# Allegro board RK_NVR_DEMO1_RK3588_LP4XD200P232SD8_V21_20211228_final_lint.brd (continued)
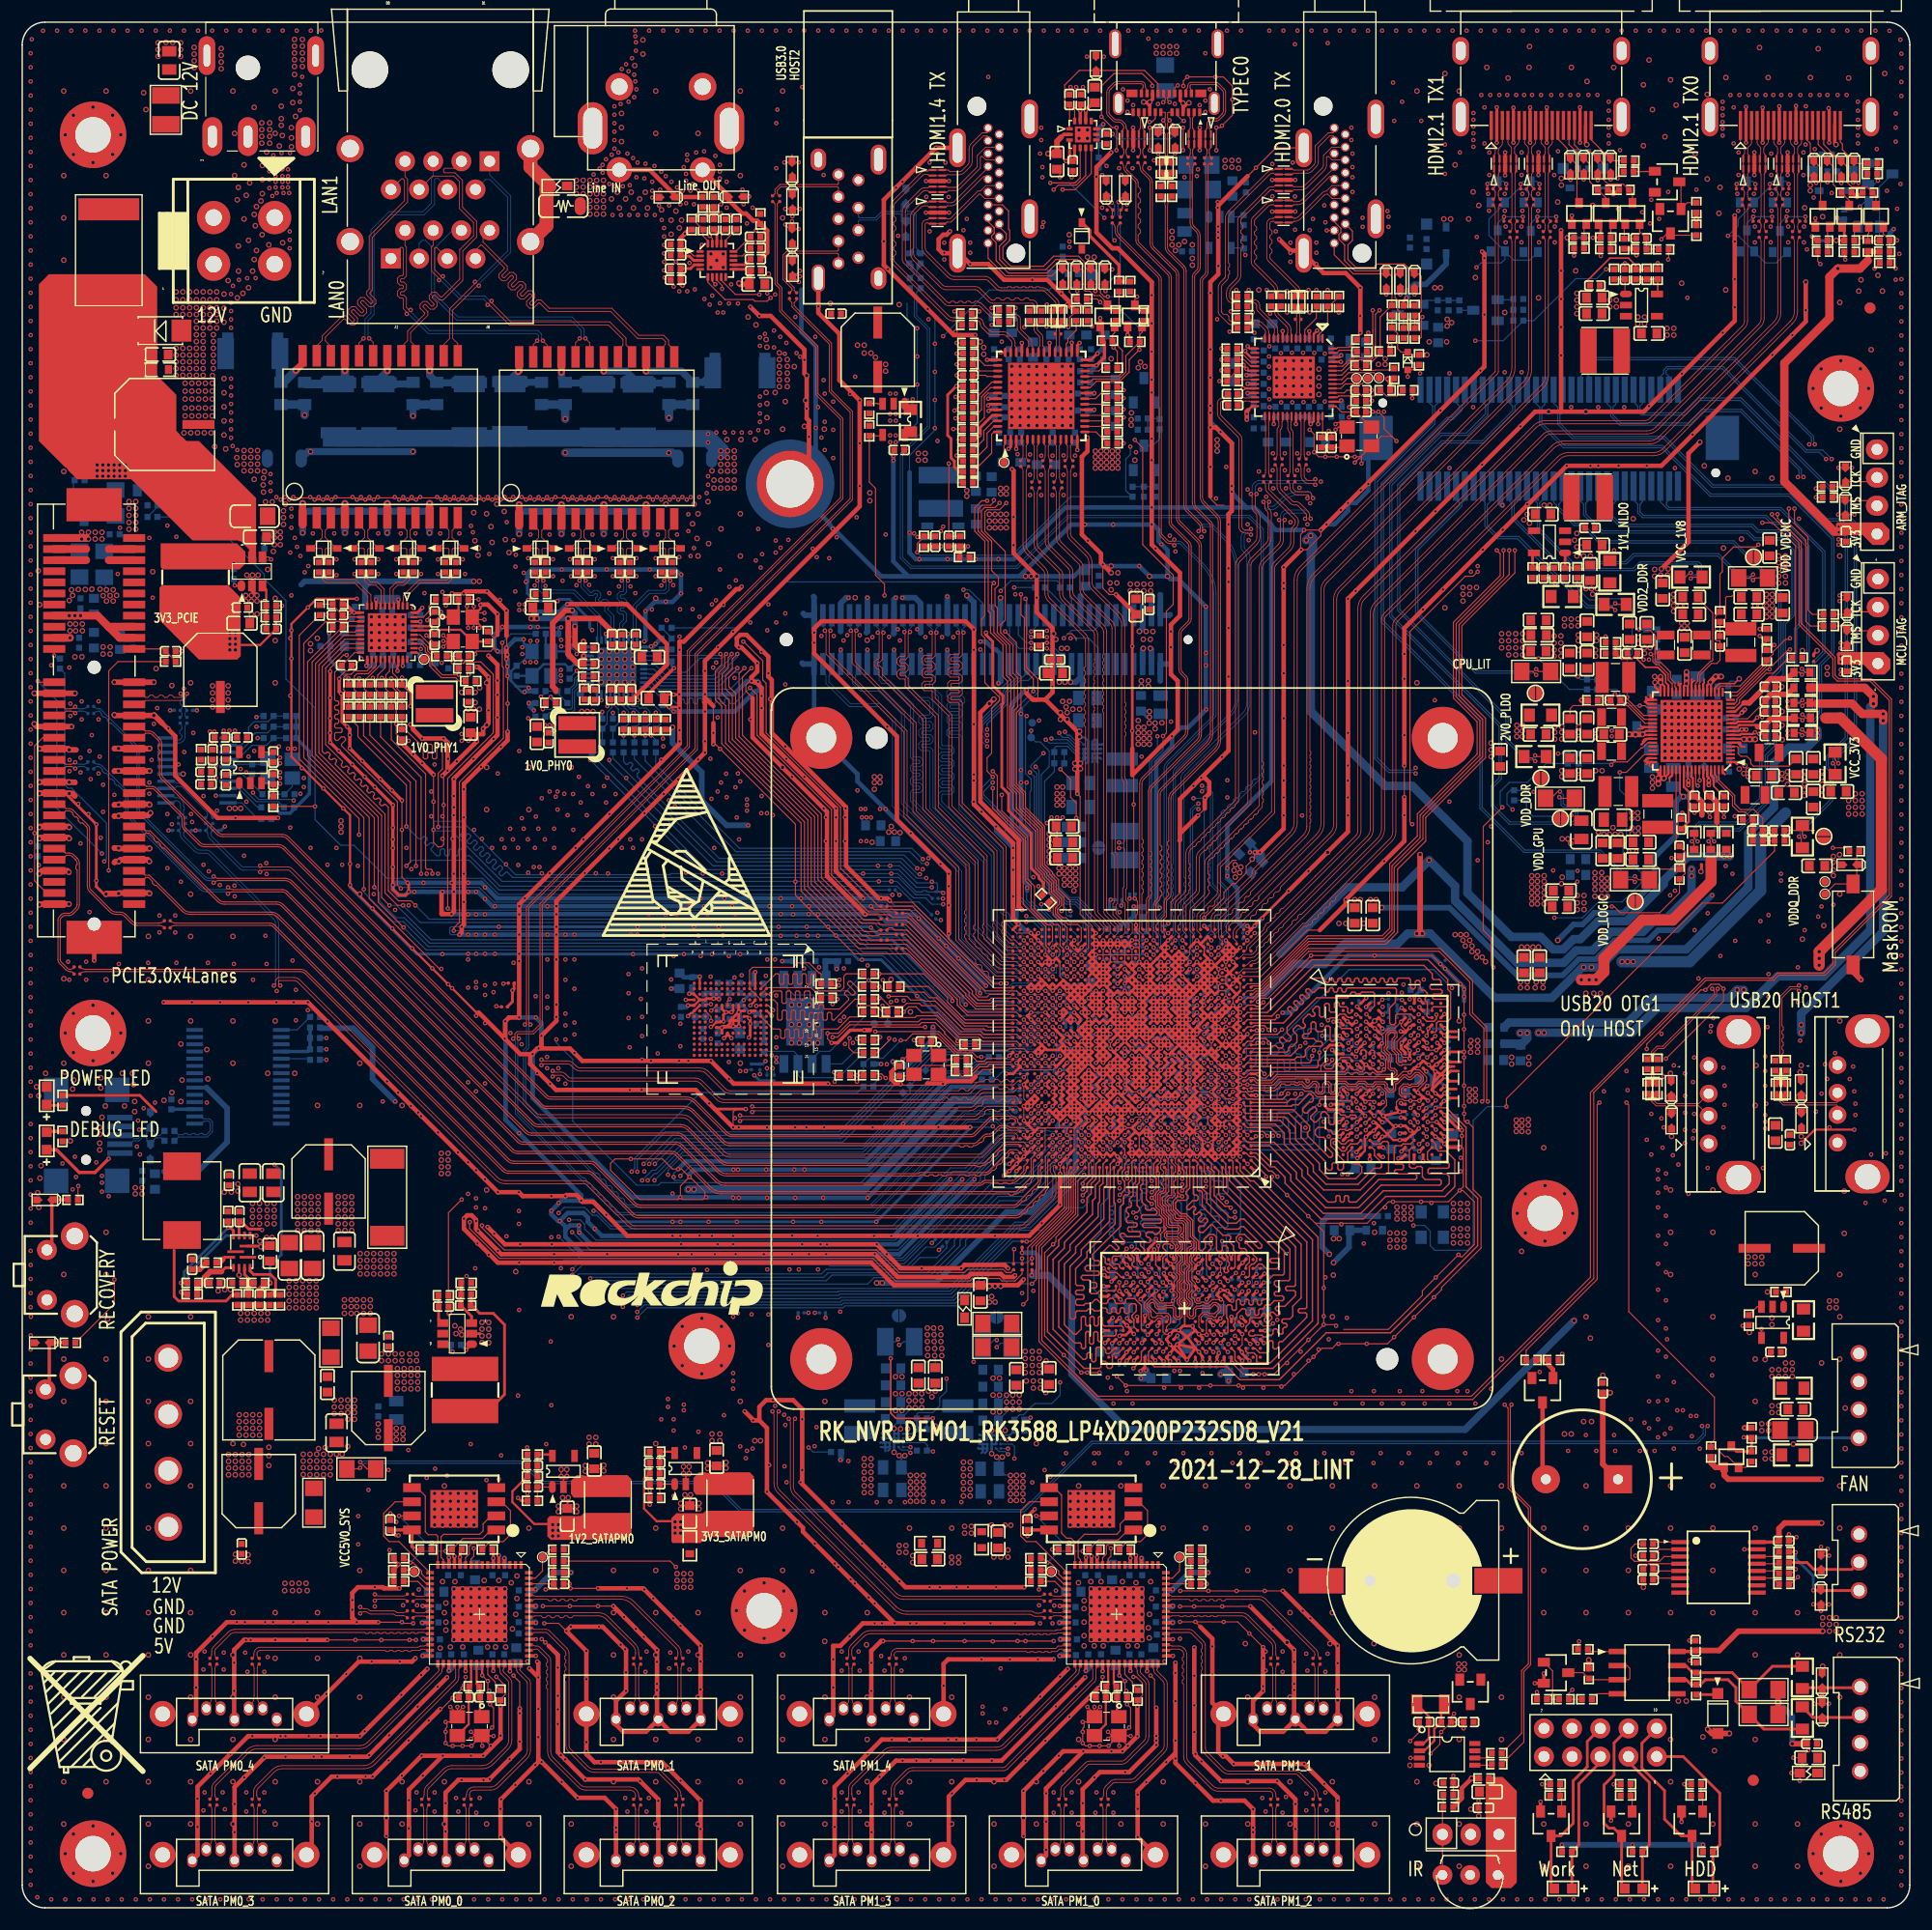
[diagram p0: board, top side]
## Routing (per net, layer and track width the routed paths; a pad name or vN(x,y) marks a point on that pad's centre or on a via; arc(x,y) is an arc through that point) (continued)
HDMI3_TXCN: length 2.8
  TOP w0.076: U5500.32 93.57,140.65 93.46,140.77 93.46,141.61 arc(93.49,141.75) C5501.2 arc(93.49,142) 93.46,142.14 93.46,142.55 arc(93.49,142.73) L5500.4
HDMI3_TXCN_PORT: length 25.5
  TOP w0.076: J5500.12 86.72,154.09 86.33,154.47 86.22,154.47 83.71,151.96 83.31,151.96 83.16,151.81 ED5501.6 ED5501.5 81.68,151.81 81.61,151.88 81.5,151.88 arc(81.4,151.84) 81.35,151.73 81.35,149.7 arc(81.4,149.47) 81.53,149.27 83.56,147.24 arc(83.76,147.1) 84,147.06 86.76,147.06 arc(87.02,147.01) 87.25,146.85 87.96,146.14 arc(88.07,146.07) 88.2,146.04 88.76,146.04 88.85,146.13 89.07,146.13 89.16,146.04 89.39,146.04 89.48,146.13 89.71,146.13 89.8,146.04 90.03,146.04 90.12,146.13 90.34,146.13 90.43,146.04 90.66,146.04 90.75,146.13 90.98,146.13 91.07,146.04 91.3,146.04 91.39,146.13 91.61,146.13 91.7,146.04 91.92,146.04 arc(92.18,145.99) 92.4,145.84 92.42,145.83 93.23,145.01 93.26,144.99 arc(93.37,144.82) 93.41,144.62 93.41,144.52 arc(93.45,144.29) 93.58,144.09 R5522.2
HDMI3_TXCP: length 2.8
  TOP w0.076: U5500.33 93.07,140.65 93.18,140.77 93.18,141.61 arc(93.15,141.75) C5501.1 arc(93.15,142) 93.18,142.14 93.18,142.55 arc(93.14,142.73) L5500.2
HDMI3_TXCP_PORT: length 25.6
  TOP w0.076: R5519.2 92.95,144.09 arc(93.08,144.29) 93.13,144.52 93.13,144.62 arc(93.11,144.71) 93.06,144.79 93.03,144.82 92.22,145.63 92.2,145.65 arc(92.07,145.73) 91.92,145.76 88.2,145.76 arc(87.96,145.81) 87.76,145.95 87.05,146.66 arc(86.91,146.75) 86.76,146.78 84,146.78 arc(83.66,146.85) 83.37,147.04 81.33,149.07 arc(81.14,149.36) 81.07,149.7 81.07,151.73 arc(81.2,152.04) 81.5,152.16 81.58,152.16 81.73,152.31 ED5501.4 ED5501.7 83.25,152.31 83.32,152.24 83.59,152.24 86.1,154.75 86.33,154.75 86.82,155.25 J5500.10
HDMI_TX0_REXT: length 0.9
  TOP w0.089: v1(110.4,87.21) 110.07,86.89 U1000.AM2
  BOTTOM w0.089: v1(110.4,87.21) 110.24,87.37 R1708.1
HDMI_TX1_REXT: length 0.9
  TOP w0.089: v1(111.05,87.86) 110.72,87.54 U1000.AN1
  BOTTOM w0.089: R1717.1 111.07,87.88 v1(111.05,87.86)
HDMITX0_CEC_M0: length 159.9
  TOP w0.089: U1000.AK24 95.77,85.59
  TOP w0.102: v1(162.02,148.18) 161.78,148.42 R5011.1 ; 95.77,85.59 v1(95.45,85.91)
  L4-S1 w0.102: v1(158.47,92.6) 158.06,93.01 158.06,93.31 158.67,93.92 158.67,97.17 159.89,98.39 159.89,102.95 160.91,103.96 160.91,114.34 160.3,114.94 160.3,124.3 158.57,126.03 158.57,137.61 162.43,141.47 162.43,147.77 v1(162.02,148.18)
  L6-S2 w0.102: v1(92.02,104.08) 92.63,104.08 92.73,104.18 104.6,104.18 105.19,104.77 120.22,104.77 123.2,107.74 129.77,107.74 130.83,106.67 130.83,103.73 136.54,98.02 136.54,98.02 136.88,97.68 140.91,97.68 141.4,97.19 141.4,96.68 142.13,95.95 145.58,95.95 149.65,91.89 157.76,91.89 v1(158.47,92.6)
  BOTTOM w0.089: 95.81,88.96 95.81,88.43 96.09,88.16 96.09,86.3 95.7,85.91 v1(95.45,85.91)
  BOTTOM w0.102: v1(92.02,104.08) 90.87,102.93 90.87,102.79 91.41,102.25 91.41,97.58 91.72,97.27 91.72,93.82 92.53,93.01 92.53,92.3 94.16,90.67 94.97,90.67 95.81,89.83 95.81,88.96
HDMITX0_HPDIN_M0: length 198.5
  TOP w0.089: 94.47,67.39 U1000.B26
  TOP w0.102: 94.47,67.39 94.16,67.08 94.16,66.67 94.1,66.62 94.1,63.01 90.6,59.5 90.6,54.81 v1(90.19,54.4)
  L4-S1 w0.102: v1(148.82,47.39) 148.82,56.63 157.76,65.57 157.76,89.85 159.13,91.22 159.13,97.02 161.11,99 161.11,103.57 161.31,103.78 161.31,114.65 160.7,115.26 160.7,127.19 159.59,128.31 159.59,137 168.22,145.64 168.22,152.95 167.82,153.36 v1(165.58,153.36)
  L6-S2 w0.102: v1(90.19,54.4) 91.21,54.4 96.59,49.01 96.59,47.49 97.86,46.22 132.61,46.22 133.78,47.39 v1(148.82,47.39)
  BOTTOM w0.102: Q5006.3 165.97,153.75 v1(165.58,153.36) 165.32,153.1 R5000.2
HDMITX0_SCL_M0: length 154.3
  TOP w0.102: v1(164.26,148.58) 164.18,148.66 R5003.1 ; v1(87.45,101.95) 86.94,102.46 86.94,103.67 87.35,104.08 87.35,108.15 88.06,108.86 88.06,109.11 86.74,110.43 86.74,114.44 86.43,114.75 86.43,116.17 86.74,116.48 86.74,123.18 85.82,124.1 85.82,126.2 86.46,126.84 v1(86.94,126.84) ; U1000.AJ28 v1(92.85,84.61)
  L4-S1 w0.102: v1(160.09,125.21) 160.3,125.42 160.3,126.74 158.98,128.06 158.98,137.41 164.26,142.69 v1(164.26,148.58)
  L6-S2 w0.102: v1(86.94,126.84) 87.55,126.23 99.54,126.23 100.05,125.72 102.59,125.72 107.06,121.25 114.27,121.25 114.88,120.64 129.31,120.64 130.02,119.93 134.19,119.93 135.66,121.4 136.17,121.4 140.79,126.03 156.13,126.03 157.15,125.01 159.89,125.01 v1(160.09,125.21)
  BOTTOM w0.089: v1(92.85,84.61) 92.85,84.76 92.52,85.09 92.52,86.05 92.28,86.29 92.28,88.48 91.8,88.96
  BOTTOM w0.102: v1(87.45,101.95) 86.43,100.93 86.43,100.22 88.57,98.09 88.57,96.97 89.69,95.85 89.69,91.08 91.8,88.96
HDMITX0_SDA_M0: length 160.1
  TOP w0.102: v1(166.9,147.77) 167.37,148.23 R5008.1 ; v1(95.45,85.26) U1000.AJ25
  L4-S1 w0.102: v1(158.47,93.21) 158.87,93.62 158.87,97.09 160.09,98.31 160.09,102.86 161.11,103.88 161.11,114.42 160.5,115.03 160.5,126.97 159.28,128.19 159.28,137.13 166.58,144.43 166.58,147.45 v1(166.9,147.77)
  L6-S2 w0.102: v1(158.47,93.21) 157.35,92.09 149.73,92.09 145.67,96.16 142.21,96.16 141.6,96.77 141.6,97.27 140.99,97.88 136.96,97.88 136.74,98.1 136.74,98.11 131.04,103.81 131.04,106.76 129.85,107.94 123.11,107.94 120.14,104.97 105.1,104.97 104.62,104.49 91.92,104.49 91.31,103.88 v1(91.31,102.86)
  BOTTOM w0.089: v1(95.45,85.26) 96.29,86.1 96.29,88.41 96.06,88.64 96.06,88.96
  BOTTOM w0.102: v1(91.31,102.86) 91.62,102.56 91.62,97.68 91.92,97.38 91.92,93.92 92.78,93.06 92.78,92.35 94.26,90.87 95.07,90.87 96.06,89.88 96.06,88.96
HDMITX1_CEC_M2: length 106.3
  TOP w0.102: R5023.1 v1(139.83,148.94)
  L4-S1 w0.102: v1(139.83,148.94) 142.31,146.45 142.31,142.1 135.49,135.28 135.49,133.13 129.31,126.94 129.31,110.89 v1(127.28,108.86)
  L6-S2 w0.102: v1(127.28,108.86) 127.07,109.06 106.55,109.06 105.74,108.25 100.15,108.25 98.42,106.52 91.41,106.52 v1(90.5,107.43)
  BOTTOM w0.102: R1912.2 94.21,89.4 94.05,89.55 94.05,90.06 93.85,90.26 93.85,90.37 92.12,92.09 92.12,92.8 91.31,93.62 91.31,97.07 90.8,97.58 90.8,100.63 90.9,100.73 90.9,101.74 90.4,102.25 90.4,107.33 v1(90.5,107.43)
HDMITX1_CEC_M2SOC: length 5.6
  TOP w0.102: U1000.AH26 94.47,84.29 v1(94.8,84.61)
  BOTTOM w0.089: v1(94.8,84.61) 94.47,84.94 94.47,86.05 94.66,86.24 94.93,86.24 95.12,86.43 95.12,87.57 94.46,88.23 R1912.1
HDMITX1_HPDIN_M0: length 226.1
  TOP w0.102: U1000.C24 v1(96.1,67.71) ; R5014.2 148.67,150.77 Q5008.3 148.22,150.94 v1(147.7,150.41)
  L4-S1 w0.102: v1(81.66,143.2) 81.35,142.89 81.35,133.04 80.24,131.92 80.24,128.57 72.82,121.15 72.05,121.15 66.62,115.72 66.62,114.55 67.03,114.14 67.03,112.62 66.72,112.31 66.72,110.28 65.15,108.7 65.15,100.88 53.21,88.94 53.21,65.57 54.53,64.25 54.53,55.08 v1(54.13,54.68)
  L6-S2 w0.102: v1(147.7,150.41) 147.7,150.11 146.07,148.48 145.16,148.48 145.03,148.61 142.54,148.61 139.57,145.64 126.26,145.64 125.25,144.62 109.09,144.62 108.28,143.81 108.28,142.99 108.07,142.79 106.25,142.79 104.42,144.62 97.81,144.62 97.2,145.23 96.49,145.23 96.19,144.92 91.92,144.92 91.62,144.62 83.08,144.62 v1(81.66,143.2)
  BOTTOM w0.089: 93.55,64 93.29,63.75 ; 95.43,65.75 95.91,65.75 96.31,66.16 96.31,67.3 96.1,67.52 v1(96.1,67.71)
  BOTTOM w0.102: 93.29,63.75 90.85,61.31 89.67,61.31 83.69,55.33 73.67,55.33 73.56,55.21 54.66,55.21 v1(54.13,54.68) ; 93.55,64 95.3,65.75 95.43,65.75
HDMITX1_SCL_M1: length 128.6
  TOP w0.102: R5015.1 v1(142.23,148.91) ; v1(88.67,126.64) 88.06,126.03 86.94,126.03 86.74,125.82 86.74,124.1 88.57,122.27 88.57,116.07 88.16,115.66 88.16,114.95 89.28,113.83 89.28,111.29 89.69,110.89 89.69,108.25 89.38,107.94 89.38,101.25 90.19,100.44 90.19,99.12 91.92,97.39 91.92,93.98 92.58,93.32 92.58,93.16 93.17,92.58 93.17,91.76 93.85,91.08 93.85,90.06 v1(93.65,89.86) ; U1000.AG26 v1(94.8,83.96)
  L4-S1 w0.102: v1(142.23,148.91) 142.23,147.14 142.62,146.75 142.62,141.98 135.71,135.07 135.71,132.94 129.61,126.84 129.61,121.35 v1(130.53,120.44)
  L6-S2 w0.089: 93.82,88.58 93.65,88.41 93.65,85.32 94.03,84.94 94.31,84.94 94.47,84.78 94.47,84.46 94.8,84.14 v1(94.8,83.96)
  L6-S2 w0.102: 93.82,88.58 93.82,89.68 v1(93.65,89.86) ; v1(88.67,126.64) 88.77,126.53 96.7,126.53 96.9,126.74 101.88,126.74 107.07,121.56 114.4,121.56 115.01,120.95 130.02,120.95 v1(130.53,120.44)
HDMITX1_SDA_M1: length 103.8
  TOP w0.102: R5020.1 148.35,148.63 v1(148.31,148.58) ; v1(125.25,97.68) 125.04,97.88 125.04,115.05 130.02,120.03 130.73,120.03 v1(131.14,120.44) ; v1(95.45,83.96) U1000.AH25
  L4-S1 w0.102: v1(148.31,148.58) 145.57,145.84 145.57,144.52 136.01,134.97 136.01,132.83 130.17,126.99 130.17,121.4 v1(131.14,120.44)
  L6-S2 w0.089: 95.14,88.96 95.14,86.43 95.14,85.13 95.33,84.94 95.58,84.94 95.77,84.75 95.77,84.29 v1(95.45,83.96)
  L6-S2 w0.102: 95.14,88.96 95.14,90.84 102.21,97.91 125.02,97.91 v1(125.25,97.68)
HOST0_REXT: length 0.9
  TOP w0.102: U1000.AG9 v1(105.85,83.96)
  BOTTOM w0.089: R1403.1 105.87,83.94 v1(105.85,83.96)
HOST1_REXT: length 0.9
  TOP w0.102: U1000.AH9 v1(105.85,84.61)
  BOTTOM w0.089: R1404.1 105.87,84.64 v1(105.85,84.61)
I2C0_SCL_M2: length 81.9
  TOP w0.102: U1000.W30 v1(91.55,78.76)
  L4-S1 w0.102: v1(71.57,43.32) 71.57,44.22 68.12,47.66 68.12,75.18 v1(67.61,75.68)
  L6-S2 w0.089: 88.47,77.81 88.58,77.81 88.6,77.79 91.03,77.79 91.22,77.98 91.22,78.44 v1(91.55,78.76)
  L6-S2 w0.102: 88.47,77.81 85.56,77.81 84.91,77.16 83.08,77.16 82.37,77.87 76.17,77.87 75.61,77.31 69.92,77.31 68.27,75.66 67.64,75.66 v1(67.61,75.68) ; v1(88.77,42.2) 88.67,42.11 80.21,42.11 v1(79.98,42.33) 80.03,42.38 80.03,42.82 80.24,43.02 80.24,43.53 80.03,43.73 75.56,43.73 74.85,43.02 71.87,43.02 v1(71.57,43.32)
  BOTTOM w0.102: R1118.2 67.74,75.56 v1(67.61,75.68) ; v1(88.77,42.2) U2200.A3 ; v1(79.98,42.33) U2201.A3
I2C0_SDA_M2: length 85.8
  TOP w0.102: U1000.W29 v1(92.2,78.76)
  L4-S1 w0.102: v1(71.4,41.61) 71.21,41.8 71.21,44.21 67.87,47.55 67.87,74.92 v1(67.1,75.68)
  L6-S2 w0.089: v1(92.2,78.76) 91.87,78.44 91.87,77.98 91.49,77.6 88.52,77.6 88.52,77.6 88.47,77.6
  L6-S2 w0.102: v1(71.4,41.61) 71.79,42 78.31,42 79.12,41.19 79.86,41.19 v1(80.03,41.01) 81.07,41.01 81.76,41.7 88.01,41.7 v1(88.82,40.89) ; v1(67.1,75.68) 67.49,75.3 68.32,75.3 70.13,77.11 76.02,77.11 76.58,77.67 82.07,77.67 82.88,76.85 85.11,76.85 85.86,77.6 88.47,77.6
  BOTTOM w0.102: R1117.2 v1(67.1,75.68) ; v1(80.03,41.01) 79.79,41.26 79.24,41.26 U2201.B1 ; v1(88.82,40.89) 88.58,41.13 88.03,41.13 U2200.B1
I2C2_SCL_M0: length 85.8
  TOP w0.102: U1000.T28 93.4,76.71 v1(93.5,76.81)
  L4-S1 w0.102: v1(67.1,98.67) 67.1,95.42 66.6,94.91 66.6,89.55 66.42,89.37 66.42,82.34 67.05,81.7 67.05,78.68 66.34,77.97 66.34,75.28 v1(66.47,75.15)
  L6-S2 w0.089: v1(93.5,76.81) 93.42,76.81 93.03,77.21 88.6,77.21 88.58,77.19 88.47,77.19
  L6-S2 w0.102: 88.47,77.19 86.26,77.19 85.32,76.24 82.47,76.24 81.46,77.26 76.93,77.26 76.38,76.7 70.53,76.7 68.73,74.9 66.72,74.9 v1(66.47,75.15) ; v1(67.1,98.67) 68.69,100.26 77.02,100.26 80.34,103.57 89.69,103.57 91.01,104.89 91.82,104.89 v1(92.23,105.3)
  BOTTOM w0.102: v1(92.23,105.3) 92.53,105 94.18,105 95.12,104.06 U2202.A3 ; R1112.2 v1(66.47,75.15)
I2C2_SDA_M0: length 86.9
  TOP w0.102: v1(90.9,76.81) 90.9,76.81 91.22,76.49 U1000.T31
  L4-S1 w0.102: v1(66.6,98.67) 66.87,98.39 66.87,95.59 65.5,94.23 65.5,82.85 66.8,81.55 66.8,78.79 66.09,78.08 66.09,76.32 v1(65.2,75.43)
  L6-S2 w0.089: 88.47,76.49 90.57,76.49 v1(90.9,76.81)
  L6-S2 w0.102: v1(66.6,98.67) 68.45,100.53 73.89,100.53 76.53,103.17 78.61,103.17 79.68,104.23 89.53,104.23 90.7,105.4 91.31,105.4 92.23,106.32 93.65,106.32 v1(93.95,106.01) ; 88.47,76.49 86.96,76.49 86.41,75.94 82.27,75.94 81.15,77.06 77.11,77.06 76.5,76.45 70.69,76.45 68.93,74.69 65.81,74.69 65.2,75.3 v1(65.2,75.43)
  BOTTOM w0.102: R1111.2 65.33,75.56 v1(65.2,75.43) ; U2202.B1 95.34,105.15 94.94,105.15 94.38,105.71 94.16,105.71 93.95,105.91 v1(93.95,106.01)
I2C3_SCL_M0: length 150.8
  TOP w0.102: R1500.2 42.77,81.22 v1(42.72,81.27) ; v1(94.11,70.92) U1000.G27 ; v1(61.24,149.9) 61.08,149.75 U7000.1
  L4-S1 w0.102: v1(61.24,149.9) 61.44,149.7 61.44,146.85 62.96,145.33 65.6,145.33 73.71,137.22 73.71,126.25 70.13,122.67 69.3,122.67 60.63,114.01 60.63,105.53 54.1,99 50.67,99 43.74,92.07 43.74,82.29 v1(42.72,81.27)
  L6-S2 w0.089: v1(94.11,70.92) 93.26,70.92 92.72,70.38 92.29,70.38 91.9,69.99 91.9,69.56 91.68,69.34 91.41,69.34 91.22,69.15 91.22,68.88 91.03,68.69 88.47,68.69
  L6-S2 w0.102: 88.47,68.69 70.8,68.69 66.65,72.84 63.24,72.84 62.53,72.13 55.8,72.13 46.9,81.03 42.96,81.03 v1(42.72,81.27)
I2C3_SDA_M0: length 146.6
  TOP w0.102: U1000.G29 v1(92.85,70.96) ; U7000.19 62.18,150.48 v1(61.95,150.72) ; v1(43.36,83.3) 43.41,83.35 R1501.2
  L4-S1 w0.102: v1(61.95,150.72) 61.44,150.72 60.78,150.06 60.78,149.29 61.24,148.84 61.24,146.77 62.98,145.03 65.54,145.03 73.45,137.12 73.45,126.35 70.03,122.93 69.19,122.93 60.37,114.11 60.37,105.63 53.99,99.26 50.54,99.26 43.36,92.07 v1(43.36,83.3)
  L6-S2 w0.089: v1(92.85,70.96) 92.49,70.6 90.04,70.6 88.87,71.77 88.47,71.77
  L6-S2 w0.102: 88.47,71.77 79.32,71.77 77.44,73.65 56.43,73.65 46.78,83.3 v1(43.36,83.3)
I2C4_SCL_M3_MIPI: length 129.8
  TOP w0.102: U1000.A27 93.86,66.7 93.86,66.38 93.9,66.34 93.9,63.11 90.87,60.08 90.52,60.08 v1(90.5,60.06) 90.09,60.06 R1913.2
  L4-S1 w0.102: v1(65.3,99.41) 64.49,99.41 53.82,88.74 53.82,65.68 55.04,64.46 55.04,54.73 v1(55.42,54.35)
  L6-S2 w0.102: v1(86.94,105.2) 79.4,105.2 77.98,103.78 76.32,103.78 73.76,101.21 68.12,101.21 66.32,99.41 v1(65.3,99.41)
  BOTTOM w0.102: v1(55.42,54.35) 55.67,54.6 73.71,54.6 73.88,54.77 83.94,54.77 89.25,60.08 90.47,60.08 v1(90.5,60.06) ; U4700.48 89.75,111.06 88.36,109.67 88.36,108.75 86.33,106.72 86.33,105.81 v1(86.94,105.2)
I2C4_SDA_M3_MIPI: length 131.9
  TOP w0.102: U1000.A26 94.47,66.7 94.31,66.53 94.31,62.91 90.98,59.58 v1(90.98,58.54) R1914.2
  L4-S1 w0.102: v1(55.42,53.71) 55.85,54.14 55.85,54.81 55.34,55.31 55.34,64.46 54.13,65.68 54.13,88.64 64.39,98.9 v1(65.3,98.9)
  L6-S2 w0.102: v1(65.3,98.9) 66.22,98.9 68.22,100.91 73.86,100.91 76.43,103.47 78.2,103.47 79.42,104.69 v1(86.94,104.69)
  BOTTOM w0.102: U4700.46 88.95,110.66 88.06,109.77 88.06,108.75 86.13,106.82 86.13,105.5 v1(86.94,104.69) ; v1(90.98,58.54) 90.6,58.16 87.75,58.16 84.12,54.52 74.01,54.52 73.84,54.35 56.06,54.35 v1(55.42,53.71)
I2C5_SCL_M3_MIPI: length 140.8
  TOP w0.102: v1(94.15,69.01) U1000.E26
  L4-S1 w0.102: v1(49.57,56.55) 53.01,59.99 53.01,63.34 51.38,64.97 51.38,89.76 62.25,100.63 v1(62.66,100.63)
  L6-S2 w0.102: v1(90.9,114.04) 89.28,114.04 85.42,110.18 69.97,110.18 62.53,102.74 62.53,100.75 v1(62.66,100.63)
  BOTTOM w0.089: 91.51,66.31 92.42,67.21 92.42,67.74 92.71,68.04 92.98,68.04 93.17,68.23 93.17,68.5 93.36,68.69 93.63,68.69 93.82,68.88 93.82,68.93 93.9,69.01 v1(94.15,69.01)
  BOTTOM w0.102: v1(49.57,56.55) 50.16,57.14 72.01,57.14 72.44,57.57 79.85,57.57 80.9,58.62 82.42,58.62 83.3,59.5 83.3,59.97 R1916.2 87.81,64.51 90.09,64.51 91.49,65.91 91.49,66.29 91.51,66.31 ; v1(90.9,114.04) 90.47,114.04 89.75,114.76 U4700.47
I2C5_SDA_M3_MIPI: length 138.7
  TOP w0.089: U1000.E27 93.82,69.34
  TOP w0.102: 93.82,69.34 v1(93.5,69.01)
  L4-S1 w0.102: v1(49.57,57.56) 51.99,59.99 51.99,63.54 50.77,64.76 50.77,89.96 62.25,101.44 v1(62.96,101.44)
  L6-S2 w0.102: v1(90.9,113.53) 89.12,113.53 85.46,109.87 70.08,109.87 62.79,102.58 62.79,101.62 v1(62.96,101.44)
  BOTTOM w0.089: v1(93.5,69.01) 93.31,69.01 92.98,68.69 92.71,68.69 91.9,67.87 91.9,67.45 90.75,66.31
  BOTTOM w0.102: U4700.45 88.95,114.42 89.84,113.53 v1(90.9,113.53) ; 90.75,66.31 90.75,66.13 89.89,65.27 87.3,65.27 82.65,60.62 82.01,60.62 79.45,58.06 73.15,58.06 73.05,58.16 50.16,58.16 v1(49.57,57.56)
I2C6_SCL_M0: length 244.3
  TOP w0.102: R5502.2 84.26,135.23 v1(84,134.97) ; U2503.6 95.83,156.15 94.97,155.29 93.34,155.29 v1(92.94,154.88) ; R2209.2 135.1,15.73 135.1,21.38 135.71,21.99 135.71,36.01 133.88,37.84 133.88,45.05 v1(133.58,45.36) ; U1000.W31 v1(90.9,78.76)
  L4-S1 w0.102: v1(70.84,53.64) 73.69,56.49 v1(73.69,79.96) 72.51,81.14 72.51,87.72 72.11,88.13 72.11,89.04 72.51,89.45 72.51,93.51 71.3,94.73 71.3,101.72 69.26,103.75 69.26,112.34 70.28,113.35 70.28,117.21 82.78,129.71 82.78,131.13 84.29,132.64 84.29,133.46 83.69,134.05 83.69,134.66 v1(84,134.97) 83.28,135.68 83.28,137.51 83.69,137.91 83.69,142.28 84.81,143.4 84.81,144.95 87.22,147.36 90.47,147.36 92.94,149.83 v1(92.94,154.88)
  L6-S2 w0.089: v1(90.9,78.76) 90.57,79.09 88.47,79.09
  L6-S2 w0.102: 88.47,79.09 83.29,79.09 82.57,79.8 80.77,79.8 80.54,79.57 74.57,79.57 74.18,79.96 v1(73.69,79.96) ; v1(133.58,45.36) 133.07,44.85 97.71,44.85 94.54,48.02 94.54,49.93 91.39,53.08 73.12,53.08 72.62,53.59 72.01,53.59 71.63,53.21 71.27,53.21 v1(70.84,53.64)
  BOTTOM w0.102: R1115.2 v1(70.84,53.64)
I2C6_SDA_M0: length 246.2
  TOP w0.102: v1(84.1,134.27) R5501.2 ; U1000.V31 v1(90.9,78.11) ; v1(93.75,154.88) 94.87,154.88 96.33,156.34 U2503.7 ; R2210.2 135.3,14.93 135.3,21.29 135.91,21.9 135.91,36.09 134.08,37.92 134.08,45.25 v1(134.19,45.36)
  L4-S1 w0.102: v1(71.42,53.64) 74.06,56.28 74.06,77.79 v1(74.14,77.87) 74.14,79.49 74.45,79.8 74.45,80.61 74.24,80.81 74.24,83.66 73.84,84.07 73.33,84.07 72.92,84.47 72.92,87.83 73.12,88.03 73.12,89.04 72.92,89.25 72.92,93.51 71.6,94.84 71.6,101.85 69.57,103.88 69.57,112.21 70.48,113.12 70.48,116.98 83.08,129.58 83.08,131.01 84.5,132.43 84.5,133.86 v1(84.1,134.27) 84.4,134.57 84.4,135.17 83.59,135.98 83.59,136.49 83.89,136.8 84.4,136.8 85.11,137.51 85.11,144.82 87.35,147.06 90.6,147.06 93.24,149.7 93.24,154.37 v1(93.75,154.88)
  L6-S2 w0.089: 88.47,78.44 90.57,78.44 v1(90.9,78.11)
  L6-S2 w0.102: v1(134.19,45.36) 133.78,45.76 133.37,45.76 132.66,45.05 98.02,45.05 94.79,48.28 94.79,50.06 91.46,53.38 73.23,53.38 72.72,53.89 71.68,53.89 v1(71.42,53.64) ; 88.47,78.44 85.17,78.44 84.5,77.77 83.49,77.77 82.55,78.71 80.85,78.71 80.64,78.91 77.82,78.91 77.7,78.78 77.7,78.27 77.49,78.07 75.97,78.07 75.46,77.56 74.45,77.56 v1(74.14,77.87)
  BOTTOM w0.102: R1116.2 v1(71.42,53.64)
I2C_SCL_RTCIC: length 1.7
  TOP w0.102: R2209.1 131.98,13.51 U2203.6
I2C_SDA_RTCIC: length 1.6
  TOP w0.102: R2210.1 132.33,12.86 U2203.5
I2S0_LRCK_RX/PWM15_M2: length 137.1
  TOP w0.102: U1000.D29 v1(92.85,69.01) ; R4735.2 91.76,114.55 v1(92.33,114.55)
  L4-S1 w0.102: v1(63.42,102.23) 62.28,102.23 50.16,90.11 50.16,64.56 50.77,63.95 50.77,60.29 48.54,58.06 v1(48.54,57.65)
  L6-S2 w0.102: v1(92.33,114.55) 91.72,113.94 91.72,113.43 91.11,112.82 89.27,112.82 85.72,109.26 70.33,109.26 63.42,102.36 v1(63.42,102.23)
  BOTTOM w0.089: 88.47,67.61 89.08,67.61 89.3,67.39 90.69,67.39 91.33,68.04 91.74,68.04 92.72,69.01 v1(92.85,69.01)
  BOTTOM w0.102: 88.47,67.61 88.36,67.61 86.74,65.98 86.74,65.68 79.42,58.36 48.84,58.36 48.54,58.06 v1(48.54,57.65)
I2S0_LRCK_TX: length 157.2
  TOP w0.089: U1000.D30 91.87,68.69
  TOP w0.102: 91.87,68.69 v1(91.55,68.36) ; U7000.8 62.58,146.72 63.07,146.23 v1(63.07,145.94)
  L4-S1 w0.102: v1(48.33,60.49) 47.32,61.51 47.32,63.44 42.75,68.01 42.75,79.7 46.61,83.56 46.61,91.13 60.93,105.45 60.93,113.88 69.42,122.37 70.26,122.37 74.01,126.12 74.01,137.33 65.71,145.64 63.37,145.64 v1(63.07,145.94)
  BOTTOM w0.089: v1(91.55,68.36) 91.36,68.36 91.03,68.04 88.47,68.04
  BOTTOM w0.102: 88.47,68.04 88.29,68.04 86.33,66.08 86.33,65.57 79.32,58.56 50.26,58.56 v1(48.33,60.49)
I2S0_MCLK: length 145.8
  TOP w0.089: U1000.F30 91.87,69.99
  TOP w0.102: v1(60.02,149.39) 60.51,148.91 U7000.2 ; 91.87,69.99 v1(91.55,69.66)
  L4-S1 w0.102: v1(60.02,149.39) 60.68,148.73 60.68,146.32 62.79,144.21 65.2,144.21 72.69,136.72 72.69,126.67 69.71,123.69 68.87,123.69 59.61,114.43 59.61,106.03 53.6,100.02 50.11,100.02 42.09,91.99 42.09,82.92 v1(42.47,82.54)
  L6-S2 w0.089: 88.47,69.87 88.69,70.1 91.11,70.1 v1(91.55,69.66)
  L6-S2 w0.102: 88.47,69.87 88.06,69.46 71.04,69.46 67.26,73.25 62.63,73.25 62.28,72.89 56.12,72.89 47.21,81.79 43.47,81.79 42.72,82.54 v1(42.47,82.54)
I2S0_SCLK_RX/PWM11_M2: length 138.2
  TOP w0.089: U1000.E30 91.87,69.34
  TOP w0.102: 91.87,69.34 v1(91.55,69.01)
  L4-S1 w0.102: v1(49.55,60.9) 49.55,61.49 49.96,61.89 49.96,63.75 49.35,64.36 49.35,90.37 63.57,104.59 63.57,107.66 62.66,108.58 62.66,112.13 v1(62.53,112.26)
  L6-S2 w0.102: v1(62.53,112.26) 62.66,112.39 64.67,112.39 66.34,114.06 66.34,115.05 71.32,120.03 88.36,120.03 v1(89.38,119.02)
  BOTTOM w0.089: v1(91.55,69.01) 91.4,69.01 91.07,68.69 88.47,68.69
  BOTTOM w0.102: 88.47,68.69 88.3,68.69 78.92,59.3 51.15,59.3 v1(49.55,60.9) ; R4734.1 v1(89.38,119.02)
I2S0_SCLK_TX: length 154.4
  TOP w0.089: U1000.E31 91.22,69.34
  TOP w0.102: 91.22,69.34 v1(90.9,69.01) ; v1(67.43,145.13) 67.13,144.82 66.01,144.82 65.86,144.98 63.32,144.98 61.78,146.52 U7000.6
  L4-S1 w0.102: v1(49.27,62.02) 49.27,62.04 49.45,62.22 49.45,63.03 45.39,67.1 45.39,74.41 45.39,77.77 47.72,80.1 47.72,90.85 61.9,105.02 61.9,113.48 69.82,121.4 70.66,121.4 74.98,125.72 74.98,137.58 v1(67.43,145.13)
  BOTTOM w0.089: v1(90.9,69.01) 88.47,69.01
  BOTTOM w0.102: 88.47,69.01 88.14,69.01 85.22,66.08 84.55,66.08 78.66,60.19 51.69,60.19 50.67,61.21 50.67,61.61 50.26,62.02 v1(49.27,62.02)
I2S0_SDI0: length 160.6
  TOP w0.102: U7000.7 62.18,146.62 v1(62.45,146.35) ; U1000.D28 v1(92.85,68.36)
  L4-S1 w0.102: v1(62.45,146.35) 62.86,146.35 63.17,146.35 63.57,145.94 68.04,145.94 69.67,144.31 69.67,143.91 75.87,137.71 75.87,125.45 65.33,114.91 65.33,113.28 64.69,112.64 64.31,112.64 63.98,112.31 63.98,111.7 64.56,111.12 64.56,104.13 64.06,103.62 64.06,102.02 63.07,101.03 62.23,101.03 51.08,89.88 51.08,64.86 52.25,63.7 52.25,59.73 v1(49.57,57.05)
  BOTTOM w0.089: 91.13,66.31 92.14,67.32 92.14,67.74 92.77,68.36 v1(92.85,68.36)
  BOTTOM w0.102: 91.13,66.31 91.11,66.29 91.11,66.03 89.96,64.89 87.56,64.89 84.38,61.71 84.37,61.71 82.22,59.56 81.43,59.56 79.73,57.85 72.79,57.85 72.69,57.95 50.47,57.95 v1(49.57,57.05)
I2S0_SDI1/PWM1_M1: length 137.3
  TOP w0.102: v1(93.5,69.66) U1000.E28
  L4-S1 w0.102: v1(64.18,110.86) 64.34,110.71 64.34,104.29 63.8,103.76 63.8,102.1 63.55,101.85 62.28,101.85 50.47,90.04 50.47,64.66 51.18,63.95 51.18,63.14 v1(51.48,62.83)
  L6-S2 w0.102: v1(64.18,110.86) 64.72,111.4 65.99,111.4 67.1,112.51 67.1,114.5 72.44,119.83 85.72,119.83 86.84,118.71 v1(88.16,118.71)
  BOTTOM w0.089: v1(93.5,69.66) 93.31,69.66 92.98,69.99 92.61,69.99 92.56,70.05 89.79,70.05 89.38,69.64 88.47,69.64
  BOTTOM w0.102: v1(51.48,62.83) 51.69,62.83 53.06,61.46 78.41,61.46 83.64,66.69 85.01,66.69 87.96,69.64 88.47,69.64 ; R4736.1 93.5,119.37 93.24,119.63 89.08,119.63 v1(88.16,118.71)
I2S0_SDO0: length 155.4
  TOP w0.102: v1(66.42,145.43) 64.27,145.43 62.98,146.72 U7000.9 ; U1000.E29 v1(92.85,69.66)
  L4-S1 w0.102: v1(48.33,62.63) 48.33,62.83 43.05,68.11 43.05,78.88 44.07,79.9 44.07,80.51 46.91,83.35 46.91,91.05 61.14,105.27 61.14,113.8 69.51,122.17 70.34,122.17 74.22,126.04 74.22,137.53 66.52,145.23 66.52,145.33 v1(66.42,145.43)
  BOTTOM w0.089: 88.47,69.33 90.76,69.33 90.76,69.34 91.03,69.34 91.03,69.33 91.41,69.33 91.41,69.34 91.68,69.34 91.68,69.33 91.85,69.33 92.18,69.66 v1(92.85,69.66)
  BOTTOM w0.102: v1(48.33,62.63) 48.84,63.14 50.67,63.14 51.38,62.43 51.79,62.43 53.01,61.21 78.66,61.21 83.84,66.39 85.11,66.39 88.06,69.33 88.47,69.33
IT6161_INT: length 4.7
  TOP w0.102: U5500.49 87.04,136.54 86.69,136.18 86.69,134.33 R5500.1
IT6161_INT_GPIO0_C4: length 97.6
  TOP w0.102: U1000.R30 91.87,75.84 v1(91.55,76.16) ; v1(83.89,133.3) R5500.2
  L4-S1 w0.102: v1(64.69,75.43) 65.45,76.19 65.45,77.84 66.52,78.91 66.52,81.45 65.3,82.67 65.3,94.53 66.22,95.45 66.22,101.13 68.35,103.27 68.35,112.01 70.08,113.73 70.08,117.39 82.45,129.77 82.45,131.19 83.89,132.63 v1(83.89,133.3)
  L6-S2 w0.089: 88.47,75.84 91.22,75.84 v1(91.55,76.16)
  L6-S2 w0.102: 88.47,75.84 88.47,75.84 87.65,75.02 84.71,75.02 84.1,75.63 82.07,75.63 80.85,76.85 77.29,76.85 76.63,76.19 70.84,76.19 69.14,74.49 65.63,74.49 v1(64.69,75.43)
IT6161_PCSCL: length 3.5
  TOP w0.102: U5500.47 87.38,137.54 86.13,136.29 86.13,135.7 R5502.1
IT6161_PCSDA: length 4.1
  TOP w0.102: U5500.48 87.26,137.04 86.43,136.22 86.43,135.04 R5501.1
IT6161_SYSRSTN_GPIO0_C5: length 85.2
  TOP w0.089: U1000.P30 91.87,75.19
  TOP w0.102: 91.87,75.19 v1(91.55,74.86) ; v1(84.1,136.2) R5503.2
  L4-S1 w0.102: v1(77.9,76.04) 77.9,76.27 76.48,77.69 76.48,77.97 75.46,78.99 75.46,80.61 74.85,81.22 74.85,107.13 70.89,111.09 70.89,116.17 78.31,123.59 78.31,124.3 84.81,130.8 84.81,135.49 v1(84.1,136.2)
  L6-S2 w0.089: v1(91.55,74.86) 91.45,74.86 91.13,74.54 90.01,74.54 89.38,73.91 88.47,73.91
  L6-S2 w0.102: v1(77.9,76.04) 78.13,76.04 78.84,75.33 80.64,75.33 82.07,73.91 88.47,73.91
IT6161SYSRSTN: length 4.2
  TOP w0.102: U5500.46 86.92,138.04 86.81,138.15 C5500.1 R5504.1 R5503.1
JTAG_TCK_M0: length 87.2
  TOP w0.102: U1000.AF2 110.38,83.3 111.51,83.3 115.84,87.62 122.54,87.62 123.21,88.29 123.21,94.12 125.7,96.61 125.7,98.61 131.09,103.99 131.09,106.91 128.95,109.05 128.95,115.88 133.17,120.09 133.17,122.06 v1(132.87,122.37) ; R9107.1 161.8,128.12 v1(161.62,127.94)
  L6-S2 w0.102: v1(161.62,127.94) 160.92,127.25 139.77,127.25 135.81,123.28 133.78,123.28 v1(132.87,122.37)
JTAG_TMS_M0: length 85.7
  TOP w0.102: v1(133.47,122.37) 133.47,120.04 129.21,115.77 129.21,109.15 131.34,107.02 131.34,103.89 125.96,98.5 125.96,96.46 123.42,93.92 123.42,88.14 122.65,87.37 115.87,87.37 111.6,83.09 110.83,83.09 U1000.AF1 ; R9106.1 161.63,127.13 v1(161.62,127.14)